# Altium PCB PCB2.PcbDoc
Units mm, origin at the board's own origin, x right, y up, seen from the top; angles counter-clockwise.
Board outline 152.4 x 101.6 mm, 2 copper layers (Top Layer, Bottom Layer); 35 components, 28 nets, 107 pads, 0 vias.
Unrouted connection lines stored in the file: 75.
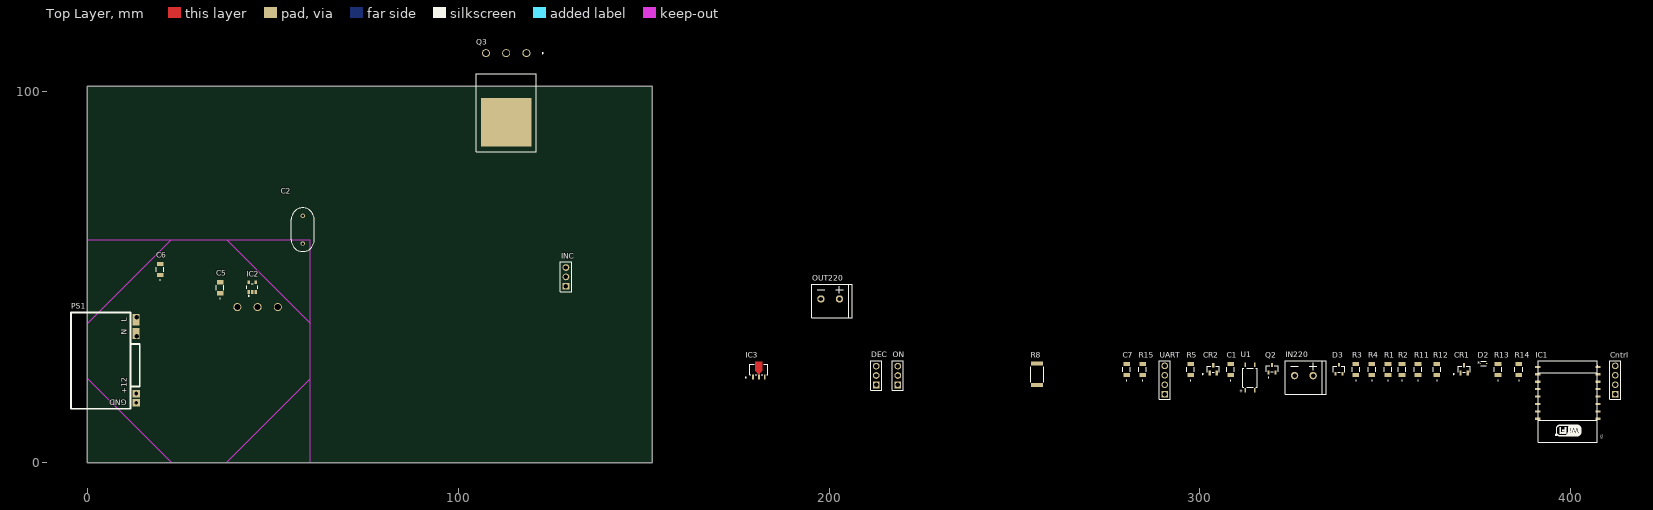
[diagram p0: Top Layer view]
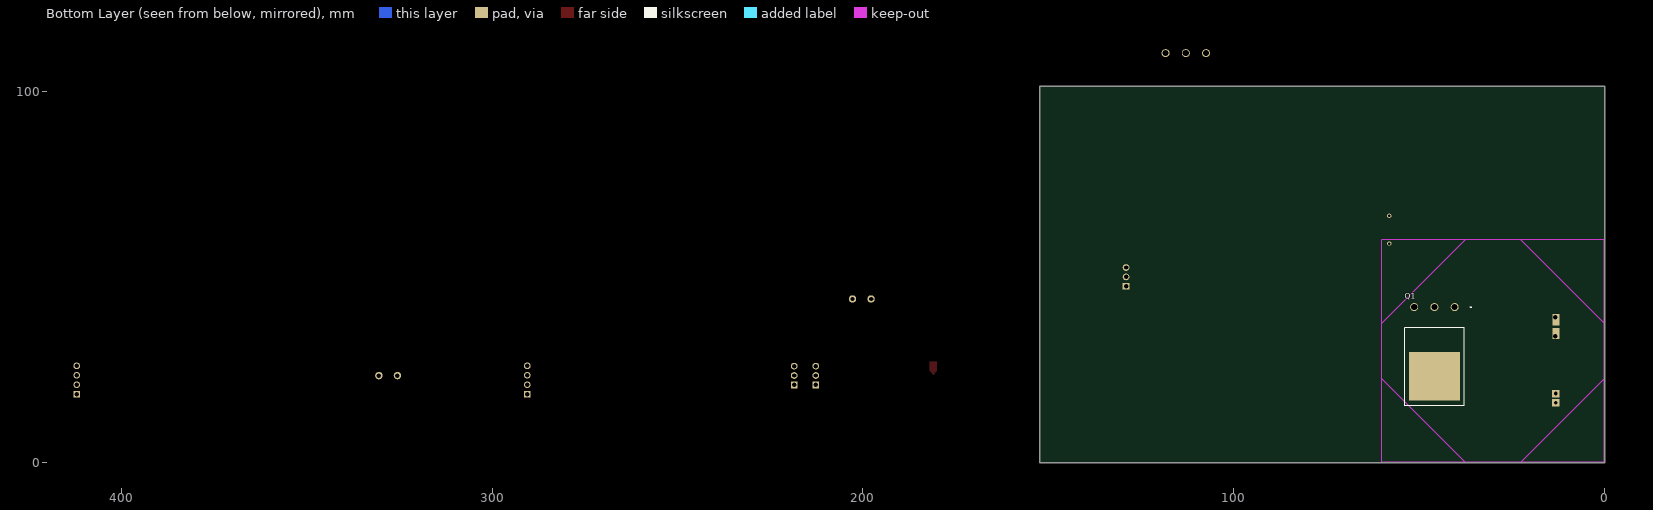
[diagram p1: Bottom Layer view, seen from below]

## Layer stack, top to bottom
Top Solder: solder mask 0.0102, Solder Resist, Dk 3.5
Top Layer: signal copper 0.0356
Dielectric 1: dielectric 0.32, FR-4, Dk 4.8
Bottom Layer: signal copper 0.0356
Bottom Solder: solder mask 0.0102, Solder Resist, Dk 3.5

## Board outline
-0.1,-0.1 152.3,-0.1 152.3,101.5 -0.1,101.5

## Design rules (kind name [scope] priority, off if disabled: settings)
Clearance Clearance_IC2_0.1mm [(ObjectKind = 'Pad') And (Component = 'IC2')] p1: gap=0.1
Clearance Clearance_0.25 [All] p2: gap=0.25
Clearance [All] p3: gap=0.254
PolygonConnect [All] p1: connectstyle=Relief reliefconductorwidth=0.254 reliefentries=4 polygonreliefangle="90 Angle" airgapwidth=0.254
RoutingVias [All] p1: holewidth=0.711 width=1.27 viastyle="Through Hole" minholewidth=0.711 minwidth=1.27 maxholewidth=0.711 maxwidth=1.27
SolderMaskExpansion [All] p1: expansion=0.102
Width [All] p1: maxlimit=0.254 minlimit=0.254 preferedwidth=0.254
30 further rules are at their usual default settings.

## Components (designator, comment, footprint, x,y, rotation, side; value= is the part's Value field where it differs from the comment)
C1 "1206 0.47u" CAP_X7R_1206_AVX 308.324,24.992 r90 top
C2 "CK45-E3AD103ZYGNA (0.01u)" CAP_CK45E3103_TDK 58.019,62.746 r90 top
C5 "C-1206 (0.1u)" CAP_X7R_1206_AVX 35.725,47.079 r90 top
C6 "C-1206" CAP_X7R_1206_AVX 19.55,52.004 r90 top
C7 "C-1206 0.47u" CAP_X7R_1206_AVX 280.257,24.992 r90 top
Cntrl "PLS-4" PLS-4 412.083,18.388 r90 top
CR1 "BAV99LT1G" SOT-23_TO-236_318-08_ONS 371.316,25.119 r0 top
CR2 "BAV99LT1G" SOT-23_TO-236_318-08_ONS 303.625,25.119 r0 top
D2 "1N4148WT" CR_SOD-523F_ONS 376.523,26.643 r0 top
D3 "BZX84C22VLFHT116" TRANS_BZX84_ROM 337.534,25.119 r0 top
DEC "PLS-3" PLS-3 212.693,23.468 r90 top
IC1 "ESP8266 ESP-07" "ESP8266 ESP-07" 407.257,6.196 r90 top
IC2 "FAN3100TSX" ON_Semi_527AH_0 44.4,47.25 r0 top
IC3 "L78L33ABUTR" SOT-89_STM 181.07,24.992 r0 top
IN220 "300-021-12" 300-021-12 323.056,18.388 r0 top
INC "PLS-3" PLS-3 129.014,50.062 r90 top
ON "PLS-3" PLS-3 218.535,23.468 r90 top
OUT220 "300-021-12" 300-021-12 195.3,39.05 r0 top
PS1 "220to12" 220to12 11.534,14.433 r90 top
Q1 "IRFP460APBF" TO-247AC_VIS 40.365,41.869 r0 bottom
Q2 "BC807-25,215" SOT23_BC807_NEX 319.5,25.246 r0 top
Q3 "IRFP460APBF" TO-247AC_VIS 118.36,110.369 r180 top
R1 "120k" CAP_X7R_1206_AVX 350.742,24.992 r90 top
R2 "10k" CAP_X7R_1206_AVX 354.552,24.992 r90 top
R3 "330k" CAP_X7R_1206_AVX 342.106,24.992 r90 top
R4 "220" CAP_X7R_1206_AVX 346.424,24.992 r90 top
R5 "120k" CAP_X7R_1206_AVX 297.529,24.992 r90 top
R8 "220" RES2512_TL_TYCO_TYC 256.127,23.722 r90 top
R11 "10k" CAP_X7R_1206_AVX 358.87,24.992 r90 top
R12 "10k" CAP_X7R_1206_AVX 363.95,24.992 r90 top
R13 "10k" CAP_X7R_1206_AVX 380.46,24.992 r90 top
R14 "10k" CAP_X7R_1206_AVX 386.048,24.992 r90 top
R15 "10k" CAP_X7R_1206_AVX 284.575,24.992 r90 top
U1 "TLP183(GR-TPL,E" "4pin SO6_TOS" 313.531,22.833 r90 top
UART "PLS-4" PLS-4 290.544,18.388 r90 top

## Footprints (in the part's own frame and the unit in brackets; to place one, negate y for a bottom-side part, rotate by r counter-clockwise, add the part's x,y. Pads: shape width x height; smd on the part's side, far side on the other; paste and mask are expansions set on the pad)
"4pin SO6_TOS" [mil]
  rect 47.56x17.97 smd paste+0 mask+0: 1(-135.5,50) 3(-135.5,-50) 4(135.5,-50) 6(135.5,50)
  silkscreen extent -100,-78 100,78, body extent -138,-73 138,73, height 87
220to12 [mm]
  rect 3x2 hole 1.2 copper offset -0.7,0.2: 1(24.7,-1.7)
  rect 3x2 hole 1.2 copper offset 0.7,0.2: 2(19.6,-1.7)
  rect 2x2 hole 1: 3(4.1,-1.6) 4(1.6,-1.6)
  silkscreen extent 0,-2.5 26,16
300-021-12 [mm]
  round 2 hole 1.2: 1(2.5,5) 2(7.5,5)
  silkscreen extent 0,0 11,9
CAP_CK45E3103_TDK [mil]
  round 46 hole 26 mask+0: 1(-147.64,0) 2(147.64,0)
  silkscreen extent -232,-123 232,123, body extent 0,0 10,10, height 10
CAP_X7R_1206_AVX [mil]
  rect 43.78x71 smd paste+0 mask+0: 1(-58.89,0) 2(58.89,0)
  silkscreen extent -117,-40 25,40, body extent -67,-36 67,36, height 50
CR_SOD-523F_ONS [mil]
  rect 15.87x14 smd paste+0 mask+0: 1(-33.44,0) 2(33.44,0)
  silkscreen extent -30,-22 30,22, body extent -34,-17 34,17, height 28
"ESP8266 ESP-07" [mm] "ESP8266 ESP-01"
  rect 0.6x1.4 smd: 1(5.533,-0.178) 2(7.533,-0.178) 3(9.533,-0.178) 4(11.533,-0.178) 5(13.533,-0.178) 6(15.533,-0.178) 7(17.533,-0.178) 8(19.533,-0.178) 9(19.533,16.104) 10(17.533,16.104) 11(15.533,16.104) 12(13.533,16.104) 13(11.533,16.104) 14(9.533,16.104) 15(7.533,16.104) 16(5.533,16.104)
  silkscreen extent -0.8,-0.05 21.25,16, body extent -0.81,0.07 21.19,16.07, height 3.5
ON_Semi_527AH_0 [mm]
  rect 0.7x1 smd paste+0 mask+0: 1(-0.95,-1.3) 2(0,-1.3) 3(0.95,-1.3) 4(0.95,1.3) 5(-0.95,1.3)
  silkscreen extent -1.5,-2.5 1.5,0.85, body extent -1.6,-1.9 1.6,1.9, height 1.5
PLS-3 [mm]
  rect 1.8x1.8 hole 1.2: 1(-2.605,-0.005)
  round 1.8 hole 1.2: 2(-0.065,-0.005) 3(2.475,-0.005)
  silkscreen extent -4.03,-1.5 3.97,1.5
PLS-4 [mm]
  rect 1.8x1.8 hole 1.2: 1(0,0)
  round 1.8 hole 1.2: 2(2.54,0) 3(5.08,0) 4(7.62,0)
  silkscreen extent -1.42,-1.5 9.01,1.5, body extent -1.28,-1.25 8.88,1.29, height 9.2
RES2512_TL_TYCO_TYC [mil]
  rect 39.87x126 smd paste+0 mask+0: 1(-113.94,0) 2(113.94,0)
  silkscreen extent -82,-68 82,68, body extent -126,-63 126,63, height 24
SOT23_BC807_NEX [mil]
  rect 21.36x45.56 smd paste+0 mask+0: 1(-37.5,-40) 2(37.5,-40) 3(0,40)
  silkscreen extent -64,-96 64,32, body extent -59,-49 59,49, height 43
SOT-23_TO-236_318-08_ONS [mil]
  rect 22.36x49.56 smd paste+0 mask+0: 1(-37.4,-41) 2(37.4,-41) 3(0,41)
  silkscreen extent -115,-57 65,32, body extent -60,-52 60,52, height 44
SOT-89_STM [mil]
  rect 19x54.87 smd paste+0 mask+0: 1(-61.81,-78.44) 3(61.81,-78.44)
  rect 22x54.87 smd paste+0 mask+0: 2(0,-78.44)
  Top Layer region: 11,-51 -11,-51 -11,-37 -36.98,-12.98 -36.98,82.78 36.98,82.78 36.98,-12.98 11,-37.98
  silkscreen extent -145,-88 96,56, body extent 0,0 10,10, height 10
TO-247AC_VIS [mil]
  round 85 hole 65 mask+0: 1(0,0) 2(214.96,0) 3(429.92,0)
  rect 540x515 smd paste+0 mask+0: 4(214.96,734)
  silkscreen extent -178,-5 532,1046, body extent -98,-14 527,1041, height 211
TRANS_BZX84_ROM [mil]
  rect 22x36 smd paste+0 mask+0: 1(-37.4,-47) 2(37.4,-47) 3(0,47)
  silkscreen extent -62,-30 62,30, body extent -57,-51 57,51, height 45

## Part data
C1 C5 C7: library part C-1206, "No Description Available"
C2: library part CK45-E3AD103ZYGNA, "No Description Available"
C6 CR1 CR2 D2 D3 IC3 Q1 Q2 Q3 U1: "No Description Available"
R1 R2 R3 R4 R5 R11 R12 R13 R14 R15: library part R-1206, "R-1206"
R8: library part R-2512, "No Description Available"

## Nets (pads, with @x,y where several pads share a name; then routed paths per layer and width w, separated by ;. In a path a pad name is that pad's centre, name@x,y a point inside that pad or via, vN(x,y) a via of type N, cw(c..) or ccw(c..) an arc to the next point about the centre after c; other vN are vias at no path point)
BTN_DEC: DEC.1 IC1.5
BTN_INC: IC1.6 INC.1
BTN_ON: IC1.7 ON.1
DETECT_NULL: IC1.13 R2.1 U1.6
GND: C5.1 C6.1 C7.1 Cntrl.2 Cntrl.3 DEC.3 IC1.9 IC2.2 IC2.4 IC3.2 INC.3 ON.3 PS1.4 Q1.2 Q3.2 R15.1 U1.4 UART.1
LOAD_CNTRL: IC1.4 IC2.3
MODE: IC1.14 UART.4
NetC1_1: C1.1 CR1.1 CR2.1 D3.2 R3.1 U1.3
NetC1_2: C1.2 D2.1 R4.1
NetC2_1: C2.1 OUT220.2 Q3.3
NetC2_2: C2.2 R8.1
NetCntrl_1: Cntrl.1 IC1.1 R12.1
NetCntrl_4: Cntrl.4 IC1.12 R13.1
NetCR1_2: CR1.2 CR2.2 D2.2 D3.3 Q2.1 R3.2
NetCR1_3: CR1.3 R1.2
NetCR2_3: CR2.3 R5.2
NetIC1_3: IC1.3 R11.1
NetIC1_10: IC1.10 R15.2
NetIC1_11: IC1.11 R14.1
NetIC2_5: IC2.5 Q1.1 Q3.1
NetIN220_1: IN220.1 OUT220.1 PS1.2 R5.1
NetIN220_2: IN220.2 PS1.1 Q1.3 R1.1 R8.2
NetQ2_2: Q2.2 R4.2
NetQ2_3: Q2.3 U1.1
RX: IC1.15 UART.2
TX: IC1.16 UART.3
VCC3.3: C5.2 C7.2 DEC.2 IC1.8 IC3.1 INC.2 ON.2 R2.2 R11.2 R12.2 R13.2 R14.2
VCC12: C6.2 IC2.1 IC3.3 PS1.3
pads on no net: D3.1 IC1.2 Q1.4 Q3.4

## Keep-outs
Keep-Out Layer:
  lines w0.254: 0,20 0,22.5 5.625,16.875 16.875,5.625 22.5,0 ; 0,37.5 22.5,60 ; 37.5,60 60,37.5 ; 60,22.5 37.5,0 ; 37.5,0 37.5,0 ; 0,0 0,60 60,60 60,0 0,0

## Text inside footprints (layer, text, board x,y; h text height)
D2: Top Overlay "*" at 374.774,26.008 h1.27; Mechanical 13 "*" at 375.812,26.008 h1.27
PS1: Top Overlay "GND" at 10.534,16.933 h1.52 r180; Top Overlay "+12" at 10.534,18.433 h1.52 r90; Top Overlay "N" at 10.534,34.433 h1.52 r90; Top Overlay "L" at 10.534,37.933 h1.52 r90
U1: Top Overlay "*" at 311.932,18.82 h1.27 r90; Mechanical 13 "*" at 313.023,20.496 h1.27 r90